# Altium PCB MB1936.PcbDoc (part 3 of 13) (continued)
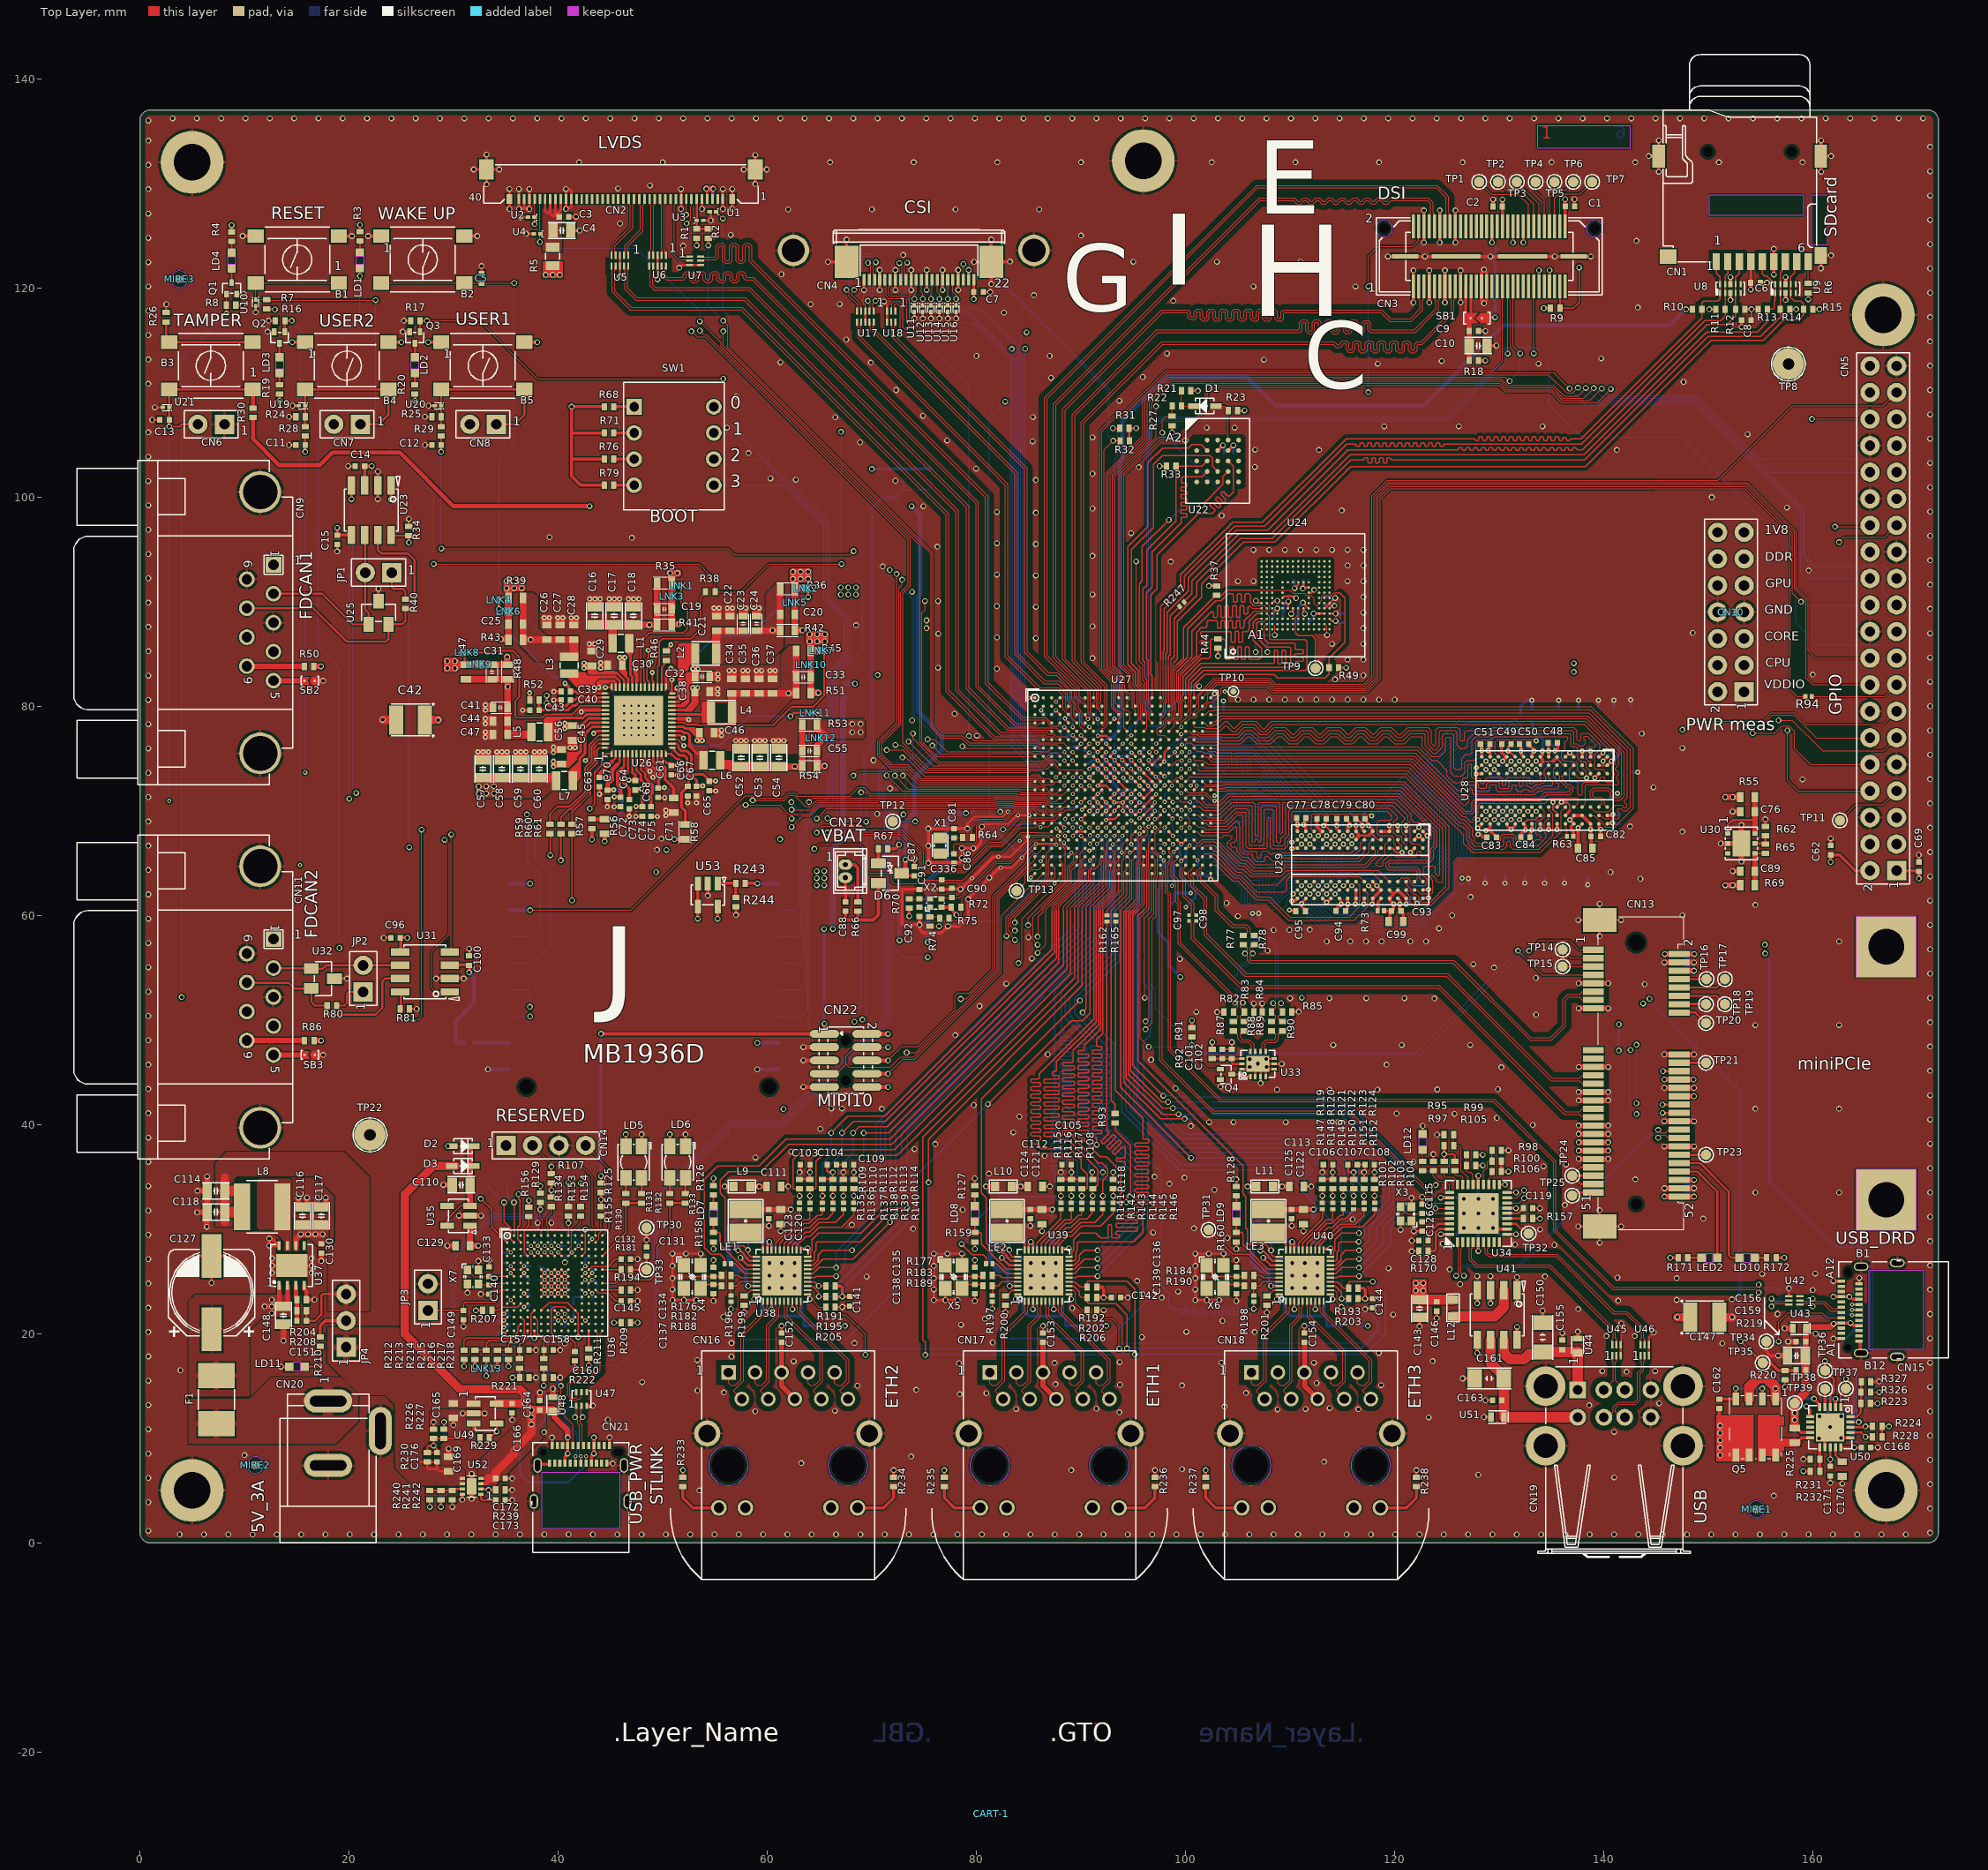
[diagram p0: Top Layer view]
## Part data (continued)
L2 L4: library part MCD-03142, "Inductor, 0.68uH, +/-20%, Itemp= 3900mA, Isat= 5400mA, 0R031, 1008, T=1.2mm", Manufacturer=MURATA, Manufacturer_Part_Number=DFE252012F-R68M=P2, Package=1008, ComponentLink1URL=http://tunmcdsvn.tun.st.com/Component_Documentation_Library/Trunk/Inductor/MURATA_DFE252012F, ID=5258, Internal_Part_Number=MCD-03142, Order_Code_Digikey=490-13044-2-ND, Order_Code_Farnell=N/A, Order_Code_RS=N/A, Part_Preference=Recommended, Part_Type=Inductor, ShowFields=YES, Status=New
L3 L5 L7: library part MCD-03141, "Inductor, 0.68uH, +/-20%, Itemp= 3100mA, Isat= 4300mA, 0R043, 0806, T=1mm", Manufacturer=MURATA, Manufacturer_Part_Number=DFE201610E-R68M=P2, Package=0806, ComponentLink1URL=http://tunmcdsvn.tun.st.com/Component_Documentation_Library/Trunkhttp://tunmcdsvn.tun.st.com/Component_Documentation_Library/Trunk/Inductor/MURATA_DFE201612P_Series, ID=5257, Internal_Part_Number=MCD-03141, Order_Code_Digikey=N/A, Order_Code_Farnell=N/A, Order_Code_RS=N/A, Part_Preference=Recommended, Part_Type=Inductor, ShowFields=YES, Status=New
L8: library part MCD-02220, "Fixed Inductors WE-LQS 5040 3.3uH 3.4A 24mOhm", Alternate_Manufacturer=N/A, Manufacturer="WURTH ELEKTRONIK", Manufacturer_Part_Number=74404054033, Package=5040, Alternate_Manufacturer_Part_Number=N/A, Component_Country_Of_Origin=Unknown, ComponentLink1Description=Part_Information, ComponentLink1URL=http://tunmcdsvn.tun.st.com/Component_Documentation_Library/Trunk/Inductor/WURTH_ELEKTRONIK_74404054033, ID=4320, Internal_Part_Number=MCD-02220, Order_Code_Digikey=732-5516-1-ND, Order_Code_Farnell=2431504, Order_Code_RS=814-2571, Part_Preference=Recommended, Part_Type=Inductor, ShowFields=YES, Status=Checked
L9 L10 L11 L13 L14 L15: library part MCD-00094, "Ferrite bead 100R 2A 0603", Manufacturer=MURATA, Manufacturer_Part_Number=BLM18EG101TN1, Package=0603, Component_Country_Of_Origin=Japan, ComponentLink1Description=Datasheet, ComponentLink1URL=http://tunmcdsvn.tun.st.com/Component_Documentation_Library/Trunk/Inductor/MURATA_BLM_Series, ECCN_EU=NEC, ECCN_US=EAR99, ID=2774, Initial_Board_Reference=mb1262, Internal_Part_Number=MCD-00094, Order_Code_Digikey=490-5978-2-ND, Order_Code_Farnell=1515714, Order_Code_RS=792-6246, Part_Preference=Recommended, Part_Type=Inductor, Provided_By=SUBCO, ShowFields=YES, Status=Released
L12: library part MCD-00305, "Ferrite bead, 26R @ 100Mhz, +/-25%, 6000mA, 0R007, 0603, T=0.75mm", Manufacturer=MURATA, Manufacturer_Part_Number=BLM18KG260TN1, Package=0603, Component_Country_Of_Origin=Japan, ComponentLink1URL=http://tunmcdsvn.tun.st.com/Component_Documentation_Library/Trunk/Inductor/MURATA_BLM_Series, ID=2564, Internal_Part_Number=MCD-00305, Order_Code_Digikey=490-5252-2-ND, Order_Code_Farnell=1781087, Order_Code_RS=747-4723, Part_Preference=Recommended, Part_Type=Inductor, ShowFields=YES, Status=Checked
LD1 LD12: library part MCD-00587, "LED Red, 0603 SMD, 2V Forward Voltage", Alternate_Manufacturer="OSRAM OPTO SEMICONDUCTORS", Alternate_Manufacturer_Part_Number="LS Q976-NR-1", Manufacturer=VISHAY, Manufacturer_Part_Number=VLMS1300-GS08, Package="LED 0603", Alternate_Internal_Part_Number=MCD-02401, Component_Country_Of_Origin=China, ComponentLink1Description=Datasheet, ComponentLink1URL=http://tunmcdsvn.tun.st.com/Component_Datasheet_Library/Trunk/Display/VISHAY_LED_RED_VLMS1300-GS08, ECCN_EU=n/a, ECCN_US=n/a, ID=3154, Internal_Part_Number=MCD-00587, Order_Code_Digikey=VLMS1300-GS08CT-ND, Order_Code_Farnell=2078728, Part_Preference=Recommended, Part_Type=Display, Provided_By=SUBCO, ShowFields=YES, Status=Released
LD2 LD7 LD8 LD9 LD10 LD11: library part MCD-00588, "LED Green, 0603 SMD, Forward Voltage Typ=2V, Max=2.5V", Alternate_Manufacturer="VISHAY SEMICONDUCTOR OPTO DIVISION", Alternate_Manufacturer_Part_Number=VLMTG1300-GS08, Manufacturer="OSRAM OPTO SEMICONDUCTORS", Manufacturer_Part_Number="LG Q396-PS-35", Package="LED 0603", Alternate_Internal_Part_Number=MCD-02400, ComponentLink1Description=Datasheet, ComponentLink1URL="http://tunmcdsvn.tun.st.com/Component_Datasheet_Library/Trunk/Display/OSRAM_LED_GREEN_LG Q396-PS-35", ECCN_EU=n/a, ECCN_US=n/a, ID=3155, Internal_Part_Number=MCD-00588, Order_Code_Digikey="LG Q396-PS-35-ND", Part_Preference=Recommended, Part_Type=Display, Provided_By=SUBCO, ShowFields=YES, Status=Released
  LD2 LD7 LD8 LD9 LD10: Component_Country_Of_Origin=Unknown
  LD11: Full_Alternate_Internal_Part_Number=MCD-02400
LD3: library part MCD-00590, "LED Orange, 0603 SMD, Forward Voltage Min=1.6V, Max=2.4V", Alternate_Manufacturer="VISHAY SEMICONDUCTOR OPTO DIVISION", Alternate_Manufacturer_Part_Number=VLMO1300-GS08, Manufacturer="OSRAM OPTO SEMICONDUCTORS", Manufacturer_Part_Number="LO Q976-PS-25", Package="LED 0603", Component_Country_Of_Origin=Unknown, ComponentLink1Description=Datasheet, ComponentLink1URL="http://tunmcdsvn.tun.st.com/Component_Datasheet_Library/Trunk/Display/OSRAM_LED_ORANGE_LO Q976-PS-25", ECCN_EU=n/a, ECCN_US=n/a, ID=3156, Internal_Part_Number=MCD-00590, Part_Preference=Recommended, Part_Type=Display, Provided_By=SUBCO, ShowFields=YES, Status=Released
LD4 LED2: library part MCD-00585, "LED Blue, 0603 SMD, Forward Voltage Min=2,8V, Max=3,8V", Alternate_Manufacturer=EVERLIGHT, Alternate_Manufacturer_Part_Number=19-217-BHC-ZL1M2RY-3T-V4, Manufacturer="OSRAM OPTO SEMICONDUCTORS", Manufacturer_Part_Number="LB Q39G-L2OO-35-1", Package="LED 0603", Alternate_Internal_Part_Number=MCD-02398, Component_Country_Of_Origin=Unknown, ComponentLink1Description=Datasheet, ComponentLink1URL="http://tunmcdsvn.tun.st.com/Component_Datasheet_Library/Trunk/Display/OSRAM_LED_BLUE_LB Q39G-L2OO-35-1", ECCN_EU=n/a, ECCN_US=n/a, ID=3159, Internal_Part_Number=MCD-00585, Order_Code_Digikey=475-2816-1-ND, Order_Code_RS=9148643, Part_Preference=Recommended, Part_Type=Display, Provided_By=SUBCO, ShowFields=YES, Status=Released
LD5 LD6: library part MCD-02631, "LED Bicolor, Green/Red, 2V, 20mA,  4-PLCC", Manufacturer="WURTH ELEKTRONIK", Manufacturer_Part_Number=150141SV73110, Package=4-PLCC, Component_Country_Of_Origin=China, ComponentLink1URL=http://tunmcdsvn.tun.st.com/Component_Documentation_Library/Trunk/Display/WURTH_ELEKTRONIK_150141SV73110, ID=4737, Internal_Part_Number=MCD-02631, Order_Code_Digikey=732-13404-2-ND, Order_Code_Farnell=2990869, Order_Code_RS=184-6963, Part_Preference=Recommended, Part_Type=Display, ShowFields=YES, Status=Checked
LE1 LE2 LE3: library part MCD-00048, "FIXED IND 4.7UH 1A 180 MOHM 30% SMD", Manufacturer=MURATA, Manufacturer_Part_Number=LQH32PN4R7NN0L, Package=1210, Component_Country_Of_Origin=Japan, ComponentLink1Description=Datasheet, ComponentLink1URL=http://tunmcdsvn.tun.st.com/Component_Documentation_Library/Trunk/Inductor/MURATA_LQH32PN4R7NN0, ECCN_EU=n/a, ECCN_US=n/a, ID=2544, Initial_Board_Reference=mb1274, Internal_Part_Number=MCD-00048, Order_Code_Digikey=490-5338-2-ND, Order_Code_Farnell=2470296, Order_Code_RS=167-4086, Part_Preference=Recommended, Part_Type=Inductor, Provided_By=SUBCO, ShowFields=YES, Status=Released
LNK1 LNK2 LNK3 LNK4 LNK5 LNK6 LNK7 LNK8 LNK9 LNK10 LNK11 LNK12: "link 0.2mm"
LNK13: library part MCD-02777, "Track link on PCB 200um width for layout routing. No component assembly and no component in BOM", Manufacturer=N/A, ComponentLink1URL=http://tunmcdsvn.tun.st.com/Component_Documentation_Library/Trunk, ID=4889, Internal_Part_Number=MCD-02777, Manufacturer_Part_Number=link_200, Order_Code_Digikey=N/A, Order_Code_Farnell=N/A, Order_Code_RS=N/A, Part_Preference=Recommended, Part_Type=Misc, ShowFields=YES, Status=Checked
Q1 Q2 Q3: library part MCD-02221, "MOSFET N-CH 20V SC-89", Alternate_Manufacturer=N/A, Manufacturer=VISHAY, Manufacturer_Part_Number=Si1062X, Package=SC-89, Alternate_Manufacturer_Part_Number=N/A, Component_Country_Of_Origin=Philippines, ComponentLink1Description=Part_Information, ComponentLink1URL=http://tunmcdsvn.tun.st.com/Component_Datasheet_Library/Trunk/Transistors/VISHAY_Si1062X, ID=4321, Internal_Part_Number=MCD-02221, Order_Code_Digikey=SI1062X-T1-GE3CT-ND, Order_Code_Farnell=2646363, Order_Code_RS=812-3044, Part_Preference=Recommended, Part_Type=Transistor, ShowFields=YES, Status=Checked
Q4: library part MCD-02221, "MOSFET N-CH 20V SC-89", Manufacturer=VISHAY, Manufacturer_Part_Number=Si1062X, Package=SC-89, Component_Country_Of_Origin=Philippines, ComponentLink1URL=http://tunmcdsvn.tun.st.com/Component_Datasheet_Library/Trunk/Transistors/VISHAY_Si1062X, ID=4321, Internal_Part_Number=MCD-02221, Order_Code_Digikey=SI1062X-T1-GE3CT-ND, Order_Code_Farnell=2646363, Order_Code_RS=812-3044, Part_Preference=Recommended, Part_Type=Transistor, ShowFields=YES, Status=Checked
Q5: library part MCD-02152, "MOSFET, Dual N-channel 30 V, 0.016 Ω typ., 40 A, STripFET™ H5 Power MOSFET", Manufacturer=STMICROELECTRONICS, Manufacturer_HQ_COO=EU, Package="PowerFLAT 5x6", Component_Country_Of_Origin=China, ComponentLink1URL=http://tunmcdsvn.tun.st.com/Component_Datasheet_Library/Trunk/Transistors/STMICROELECTRONICS_STL40DN3LLH5, ID=4252, Internal_Part_Number=MCD-02152, Manufacturer_Part_Number=STL40DN3LLH5, Order_Code_Digikey=N/A, Order_Code_Farnell=N/A, Order_Code_RS=N/A, Part_Preference=Recommended, Part_Type=Transistor, ShowFields=YES, Status=Released
R1 R9 R91 R103 R104 R106 R156 R157 R213 R214 R215 R220 R223 R323 R324: library part MCD-00053, "Resistor, 10K, 0402, +/-1%, 1/16W", Manufacturer=YAGEO, Manufacturer_Part_Number=RC0402FR-0710KL, Package=0402, BMS_Part_Number=9131590, Component_Country_Of_Origin=China, ComponentLink1URL=http://tunmcdsvn.tun.st.com/Component_Documentation_Library/Trunk/Resistor/YAGEO_RC_L_Series, ID=2539, Internal_Part_Number=MCD-00053, Order_Code_Digikey=311-10.0KLRCT-ND, Order_Code_Farnell=9239359, Order_Code_RS=N/A, Part_Preference=Recommended, Part_Type=Resistor, ShowFields=YES, Status=Released
R2 R18 R67 R77 R78 R87 R88 R89 R90 R92 R129 R154 R155 R211 R212 R290 R291: library part MCD-00052, "Resistor, 0R, 0402, +/-5%, 1/16W", Manufacturer=YAGEO, Manufacturer_Part_Number=RC0402JR-070RL, Package=0402, Component_Country_Of_Origin=China, ComponentLink1URL=http://tunmcdsvn.tun.st.com/Component_Documentation_Library/Trunk/Resistor/YAGEO_RC_L_Series, ID=2540, Internal_Part_Number=MCD-00052, Order_Code_Digikey=311-0.0JRCT-ND, Order_Code_Farnell=9232516RL, Order_Code_RS=618-5804, Part_Preference=Recommended, Part_Type=Resistor, ShowFields=YES, Status=Released
R3: library part MCD-00461, "Resistor,360R,0402,1%,1/16W", Manufacturer=YAGEO, Manufacturer_Part_Number=RC0402FR-07360RL, Package=0402, Component_Country_Of_Origin=China, ComponentLink1Description=Datasheet, ComponentLink1URL=http://tunmcdsvn.tun.st.com/Component_Documentation_Library/Trunk/Resistor/YAGEO_RC_L_Series, ECCN_EU=NEC, ECCN_US=EAR99, ID=2816, Internal_Part_Number=MCD-00461, Order_Code_Digikey=YAG3132CT-ND, Order_Code_Farnell=1458786, Order_Code_RS=N/A, Part_Preference=Recommended, Part_Type=Resistor, Provided_By=SUBCO, ShowFields=YES, Status=Released
R4 R171: library part MCD-00194, "Resistor,120R,0402,1%,1/16W", Manufacturer=YAGEO, Manufacturer_Part_Number=RC0402FR-07120RL, Package=0402, Component_Country_Of_Origin=China, ComponentLink1Description=Datasheet, ComponentLink1URL=http://tunmcdsvn.tun.st.com/Component_Documentation_Library/Trunk/Resistor/YAGEO_RC_L_Series, ECCN_EU=NEC, ECCN_US=EAR99, ID=2674, Internal_Part_Number=MCD-00194, Order_Code_Digikey=311-120LRCT-ND, Order_Code_Farnell=9239120, Order_Code_RS=N/A, Part_Preference=Recommended, Part_Type=Resistor, Provided_By=SUBCO, ShowFields=YES, Status=Released
R5: library part MCD-00179, "Resistor, 0R, 0805, +/-5%, 1/8W", Manufacturer=YAGEO, Manufacturer_Part_Number=RC0805JR-070RL, Package=0805, Component_Country_Of_Origin=China, ComponentLink1URL=http://tunmcdsvn.tun.st.com/Component_Documentation_Library/Trunk/Resistor/YAGEO_RC_L_Series, ID=2685, Internal_Part_Number=MCD-00179, Order_Code_Digikey=311-0.0ARCT-ND, Order_Code_Farnell=9233750, Order_Code_RS=N/A, Part_Preference=Recommended, Part_Type=Resistor, ShowFields=YES, Status=Released
R6 R21 R22 R38 R46 R52 R57 R59 R60 R61 R64 R75 R267 R269 R286 R288 R326 R328: library part MCD-00052, "Resistor,0R,0402,5%,1/16W", Alternate_Manufacturer=N/A, Manufacturer=YAGEO, Manufacturer_Part_Number=RC0402JR-070RL, Package=0402, Alternate_Manufacturer_Part_Number=N/A, ComponentLink1URL=http://tunmcdsvn.tun.st.com/Component_Documentation_Library/Trunk/Resistor/YAGEO_RC_L_Series, Internal_Part_Number=MCD-00052, Order_Code_Digikey=311-0.0JRCT-ND, Order_Code_Farnell=9232516RL, Order_Code_RS=618-5804, Part_Preference=Recommended, Part_Type=Resistor, Status=Released
  R6: Component_Country_Of_Origin=China, ComponentLink1Description=Datasheet, ECCN_EU=NEC, ECCN_US=EAR99, ID=2540, Provided_By=SUBCO, ShowFields=YES
  R21 R22: Component_Country_Of_Origin=China, ComponentLink1Description=Datasheet, ID=2540, ShowFields=YES
  R38 R46 R59 R60 R61 R267 R269 R286: ComponentLink1Description=Datasheet, ECCN_EU=NEC, ECCN_US=EAR99, Initial_Board_Reference=mb1274, Provided_By=SUBCO
  R52 R57 R326: Component_Country_Of_Origin=China, ComponentLink1Description=Part_Information, ID=2540, ShowFields=YES
  R64 R75: Component_Country_Of_Origin=China, ComponentLink1Description=Datasheet, ECCN_EU=n/a, ECCN_US=n/a, ID=2540, Initial_Board_Reference=mb1274, Provided_By=SUBCO, ShowFields=YES
  R288 R328: ComponentLink1Description=Datasheet
R7 R13 R27 R74 R96 R107 R125 R205 R206 R252 R272: library part MCD-00053, "Resistor,10K,0402,1%,1/16W", Alternate_Manufacturer=N/A, Manufacturer=YAGEO, Manufacturer_Part_Number=RC0402FR-0710KL, Package=0402, Alternate_Manufacturer_Part_Number=N/A, BMS_Part_Number=9131590, ComponentLink1Description=Datasheet, ComponentLink1URL=http://tunmcdsvn.tun.st.com/Component_Documentation_Library/Trunk/Resistor/YAGEO_RC_L_Series, Internal_Part_Number=MCD-00053, Order_Code_Digikey=311-10.0KLRCT-ND, Order_Code_Farnell=9239359, Order_Code_RS=N/A, Part_Preference=Recommended, Part_Type=Resistor, Status=Released
  R7 R27 R74 R96 R107 R125 R205 R206 R272: Component_Country_Of_Origin=China, ID=2539, ShowFields=YES
  R13: Component_Country_Of_Origin=China, ECCN_EU=NEC, ECCN_US=EAR99, ID=2539, Provided_By=SUBCO, ShowFields=YES
R8 R16 R17 R24 R25: library part MCD-00059, "Resistor,100K,0402,1%,1/16W", Alternate_Manufacturer=YAGEO, Alternate_Manufacturer_Part_Number=RT0402FRE07100KL, Manufacturer_Part_Number=RC0402FR-07100KL, Package=0402, Component_Country_Of_Origin=China, ComponentLink1Description=Datasheet, ComponentLink1URL=http://tunmcdsvn.tun.st.com/Component_Documentation_Library/Trunk/Resistor/YAGEO_RC_L_Series, ID=2533, Internal_Part_Number=MCD-00059, Manufacturer=YAGEO, Order_Code_Digikey=311-100KLRTR-ND, Order_Code_Farnell=2421891, Order_Code_RS=N/A, Part_Preference=Recommended, Part_Type=Resistor, ShowFields=YES, Status=Released
R10 R11 R12 R14 R15 R226 R230: library part MCD-00063, "Resistor,47K,0402,1%,1/16W", Alternate_Manufacturer=N/A, Manufacturer=YAGEO, Manufacturer_Part_Number=RC0402FR-0747KL, Package=0402, Alternate_Manufacturer_Part_Number=N/A, Component_Country_Of_Origin=China, ComponentLink1Description=Datasheet, ComponentLink1URL=http://tunmcdsvn.tun.st.com/Component_Documentation_Library/Trunk/Resistor/YAGEO_RC_L_Series, ECCN_EU=NEC, ECCN_US=EAR99, ID=2528, Internal_Part_Number=MCD-00063, Order_Code_Digikey=311-47.0KLRCT-ND, Order_Code_Farnell=9239430, Order_Code_RS=N/A, Part_Preference=Recommended, Part_Type=Resistor, Provided_By=SUBCO, ShowFields=YES, Status=Released
R19: library part MCD-00449, "Resistor,300R,0402,1%,1/16W", Manufacturer=YAGEO, Manufacturer_Part_Number=RC0402FR-07300RL, Package=0402, Component_Country_Of_Origin=China, ComponentLink1Description=Datasheet, ComponentLink1URL=http://tunmcdsvn.tun.st.com/Component_Documentation_Library/Trunk/Resistor/YAGEO_RC_L_Series, ECCN_EU=NEC, ECCN_US=EAR99, ID=2832, Internal_Part_Number=MCD-00449, Order_Code_Digikey=311-300LRCT-ND, Order_Code_Farnell=1458776, Order_Code_RS=N/A, Part_Preference=Recommended, Part_Type=Resistor, Provided_By=SUBCO, ShowFields=YES, Status=Released
R20 R126 R127 R128 R172 R210: library part MCD-00441, "Resistor,270R,0402,1%,1/16W", Manufacturer=YAGEO, Manufacturer_Part_Number=RC0402FR-07270RL, Package=0402, ComponentLink1Description=Datasheet, ComponentLink1URL=http://tunmcdsvn.tun.st.com/Component_Documentation_Library/Trunk/Resistor/YAGEO_RC_L_Series, ECCN_EU=NEC, ECCN_US=EAR99, ID=2838, Internal_Part_Number=MCD-00441, Order_Code_Digikey=311-270LRCT-ND, Order_Code_Farnell=9239162, Order_Code_RS=N/A, Part_Preference=Recommended, Part_Type=Resistor, Provided_By=SUBCO, ShowFields=YES, Status=Released
  R20 R126 R127 R128 R172: Component_Country_Of_Origin=China
R23 R33: library part MCD-00053, "Resistor,10K,0402,1%,1/16W", Manufacturer=YAGEO, Manufacturer_Part_Number=RC0402FR-0710KL, Package=R0402, BMS_Part_Number=9131590, ComponentLink1Description=Datasheet, ComponentLink1URL=http://tunmcdsvn.tun.st.com/Component_Datasheet_Library/Trunk/Resistors/Yageo_Resistor_RC0402-series, ECCN_EU=NEC, ECCN_US=EAR99, Internal_Part_Number=MCD-00053, Part_Type=Resistor, Provided_By=SUBCO, Status=Released
R26 R181: library part MCD-00067, "Resistor, 100R, 0402, +/- 1%, 1/16W", Manufacturer=YAGEO, Manufacturer_Part_Number=RC0402FR-07100RL, Package=0402, Component_Country_Of_Origin=China, ComponentLink1URL=http://tunmcdsvn.tun.st.com/Component_Documentation_Library/Trunk/Resistor/YAGEO_RC_L_Series, ID=2527, Internal_Part_Number=MCD-00067, Order_Code_Digikey=311-100LRCT-ND, Order_Code_Farnell=9239111, Order_Code_RS=N/A, Part_Preference=Recommended, Part_Type=Resistor, ShowFields=YES, Status=Released
R28 R29: library part MCD-00062, "Resistor,330R,0402,1%,1/16W", Alternate_Manufacturer=N/A, Manufacturer=YAGEO, Manufacturer_Part_Number=RC0402FR-07330RL, Package=0402, Alternate_Manufacturer_Part_Number=N/A, Component_Country_Of_Origin=China, ComponentLink1Description=Datasheet, ComponentLink1URL=http://tunmcdsvn.tun.st.com/Component_Documentation_Library/Trunk/Resistor/YAGEO_RC_L_Series, ID=2529, Internal_Part_Number=MCD-00062, Order_Code_Digikey=311-330LRCT-ND, Order_Code_Farnell=9239170, Order_Code_RS=N/A, Part_Preference=Recommended, Part_Type=Resistor, ShowFields=YES, Status=Released
R30 R101: library part MCD-00061, "Resistor, 1K, 0402, +/-1%,1/16W", Manufacturer=YAGEO, Manufacturer_Part_Number=RC0402FR-071KL, Package=0402, Component_Country_Of_Origin=China, ComponentLink1URL=http://tunmcdsvn.tun.st.com/Component_Documentation_Library/Trunk/Resistor/YAGEO_RC_L_Series, ID=2532, Internal_Part_Number=MCD-00061, Order_Code_Digikey=311-1.00KLRCT-ND, Order_Code_Farnell=9239235, Order_Code_RS=N/A, Part_Preference=Recommended, Part_Type=Resistor, ShowFields=YES, Status=Released
R31 R32 R224 R228 R245 R246: library part MCD-00068, "Resistor,1K5,0402,1%,1/16W", Alternate_Manufacturer=N/A, Manufacturer=YAGEO, Manufacturer_Part_Number=RC0402FR-071K5L, Package=0402, Alternate_Manufacturer_Part_Number=N/A, Component_Country_Of_Origin=China, ComponentLink1Description=Datasheet, ComponentLink1URL=http://tunmcdsvn.tun.st.com/Component_Documentation_Library/Trunk/Resistor/YAGEO_RC_L_Series, ID=2524, Internal_Part_Number=MCD-00068, Order_Code_Digikey=311-1.50KLRCT-ND, Order_Code_Farnell=9239251, Order_Code_RS=N/A, Part_Preference=Recommended, Part_Type=Resistor, ShowFields=YES, Status=Released
R34 R37 R44 R49 R81 R248: library part MCD-00053, "Resistor,10K,0402,1%,1/16W", Manufacturer=YAGEO, Manufacturer_Part_Number=RC0402FR-0710KL, Package=0402, BMS_Part_Number=9131590, Component_Country_Of_Origin=China, ComponentLink1Description=Datasheet, ComponentLink1URL=http://tunmcdsvn.tun.st.com/Component_Documentation_Library/Trunk/Resistor/YAGEO_RC_L_Series, ID=2539, Internal_Part_Number=MCD-00053, Order_Code_Digikey=311-10.0KLRCT-ND, Order_Code_Farnell=9239359, Order_Code_RS=N/A, Part_Preference=Recommended, Part_Type=Resistor, Provided_By=SUBCO, ShowFields=YES, Status=Released
  R37 R44 R49 R248: ECCN_EU=NEC, ECCN_US=EAR99
R35 R36 R39 R45 R47 R53: library part MCD-00181, "Resistor,0R,0603,ULO", Alternate_Manufacturer=N/A, Manufacturer=ROHM, Manufacturer_Part_Number=PMR03EZPJ000, Package=0603, Alternate_Manufacturer_Part_Number=N/A, Component_Country_Of_Origin="Philippines, Thailand", ComponentLink1Description=Part_Information, ComponentLink1URL=http://tunmcdsvn.tun.st.com/Component_Documentation_Library/Trunk/Resistor/ROHM_PMR_Series, ID=2691, Internal_Part_Number=MCD-00181, Order_Code_Digikey=PMR03EZPJ000-ND, Order_Code_Farnell=N/A, Order_Code_RS=N/A, Part_Preference=Recommended, Part_Type=Resistor, Provided_By=SUBCO, ShowFields=YES, Status=Released
R40 R80: library part MCD-00194, "Resistor, 120R, 0402, +/-1%, 1/16W", Manufacturer=YAGEO, Manufacturer_Part_Number=RC0402FR-07120RL, Package=0402, Component_Country_Of_Origin=China, ComponentLink1URL=http://tunmcdsvn.tun.st.com/Component_Documentation_Library/Trunk/Resistor/YAGEO_RC_L_Series, ID=2674, Internal_Part_Number=MCD-00194, Order_Code_Digikey=311-120LRCT-ND, Order_Code_Farnell=9239120, Order_Code_RS=N/A, Part_Preference=Recommended, Part_Type=Resistor, ShowFields=YES, Status=Released
R41 R54: library part MCD-03197, "Resistor, 330mR, 0603, +/-1%, 1/5W", Manufacturer=YAGEO, Manufacturer_Part_Number=PT0603FR-7W0R33L, Package=0603, ComponentLink1URL=http://tunmcdsvn.tun.st.com/Component_Documentation_Library/Trunk/Resistor/YAGEO_PT_Series, ID=5313, Internal_Part_Number=MCD-03197, Order_Code_Digikey=PT0603FR-7W0R33L-ND, Order_Code_Farnell=N/A, Order_Code_RS=N/A, Part_Preference=Recommended, Part_Type=Resistor, ShowFields=YES, Status=New
R42 R51: library part MCD-03229, "Resistor, 33mR, 0603, +/-1%, 1/4W", Manufacturer=PANASONIC, Manufacturer_Part_Number=ERJ-3BWFR033V, Package=0603, ComponentLink1URL=http://tunmcdsvn.tun.st.com/Component_Documentation_Library/Trunk/Resistor/PANASONIC_ERJ_Series, ID=5345, Internal_Part_Number=MCD-03229, Order_Code_Digikey=P17467TR-ND, Order_Code_Farnell=1798582, Order_Code_RS=N/A, Part_Preference=Recommended, Part_Type=Resistor, ShowFields=YES, Status=New
R43 R48: library part MCD-02234, "Resistor,100moHm,0603,1%,1/3W", Alternate_Manufacturer=N/A, Manufacturer=PANASONIC, Manufacturer_Part_Number=ERJ-3BWFR100V, Package=0603, Alternate_Manufacturer_Part_Number=N/A, Component_Country_Of_Origin=Japan, ComponentLink1Description=Part_Information, ComponentLink1URL=http://tunmcdsvn.tun.st.com/Component_Documentation_Library/Trunk/Resistor/PANASONIC_ERJ_Series, ID=4334, Internal_Part_Number=MCD-02234, Order_Code_Digikey=P17478CT-ND, Order_Code_Farnell=1798596, Order_Code_RS=763-8731, Part_Preference=Recommended, Part_Type=Resistor, ShowFields=YES, Status=Checked
R50 R86: library part MCD-00061, "Resistor,1K,0402,1%,1/16W", Manufacturer=YAGEO, Manufacturer_Part_Number=RC0402FR-071KL, Package=0402, Component_Country_Of_Origin=China, ComponentLink1Description=Datasheet, ComponentLink1URL=http://tunmcdsvn.tun.st.com/Component_Documentation_Library/Trunk/Resistor/YAGEO_RC_L_Series, ID=2532, Internal_Part_Number=MCD-00061, Order_Code_Digikey=311-1.00KLRCT-ND, Order_Code_Farnell=9239235, Order_Code_RS=N/A, Part_Preference=Recommended, Part_Type=Resistor, Provided_By=SUBCO, ShowFields=YES, Status=Released
R55 R56 R69: library part MCD-00056, "Resistor,0R,0603,5%,1/10W", Alternate_Manufacturer=N/A, Manufacturer=YAGEO, Manufacturer_Part_Number=RC0603JR-070RL, Package=0603, Alternate_Manufacturer_Part_Number=N/A, Component_Country_Of_Origin=China, ComponentLink1URL=http://tunmcdsvn.tun.st.com/Component_Documentation_Library/Trunk/Resistor/YAGEO_RC_L_Series, ID=2536, Internal_Part_Number=MCD-00056, Order_Code_Digikey=311-0.0GRCT-ND, Order_Code_Farnell=9233130RL, Order_Code_RS=N/A, Part_Preference=Recommended, Part_Type=Resistor, ShowFields=YES, Status=Released
  R55 R69: ComponentLink1Description=Datasheet
  R56: ComponentLink1Description=Part_Information
R58: library part MCD-00181, "Resistor, 0R, 0603, +/- 0.5mR, 1/4W", Alternate_Manufacturer=N/A, Manufacturer=ROHM, Manufacturer_Part_Number=PMR03EZPJ000, Package=0603, Alternate_Manufacturer_Part_Number=N/A, Component_Country_Of_Origin="Philippines, Thailand", ComponentLink1URL=http://tunmcdsvn.tun.st.com/Component_Documentation_Library/Trunk/Resistor/ROHM_PMR_Series, ID=2691, Internal_Part_Number=MCD-00181, Order_Code_Digikey=PMR03EZPJ000-ND, Order_Code_Farnell=N/A, Order_Code_RS=N/A, Part_Preference=Recommended, Part_Type=Resistor, ShowFields=YES, Status=Released
R62: library part MCD-00531, "Resistor, 82K, 0402, +/-1%, 1/16W", Manufacturer=YAGEO, Manufacturer_Part_Number=RC0402FR-0782KL, Package=0402, Component_Country_Of_Origin=China, ComponentLink1URL=http://tunmcdsvn.tun.st.com/Component_Documentation_Library/Trunk/Resistor/YAGEO_RC_L_Series, ID=3207, Internal_Part_Number=MCD-00531, Order_Code_Digikey=311-82.0KLRCT-ND, Order_Code_Farnell=9239464, Order_Code_RS=N/A, Part_Preference=Recommended, Part_Type=Resistor, ShowFields=YES, Status=Released
R63 R73 R262: library part MCD-02253, "Resistor,240R,0201,1%,1/20W", Alternate_Manufacturer=N/A, Manufacturer=YAGEO, Manufacturer_Part_Number=RC0201FR-07240RL, Package=R0201, Alternate_Manufacturer_Part_Number=N/A, ComponentLink1URL=http://tunmcdsvn.tun.st.com/Component_Datasheet_Library/Trunk/Resistors/Yageo_Resistor_RC0201-series, Internal_Part_Number=MCD-02253, Order_Code_Digikey=YAG2528CT-ND, Order_Code_Farnell=N/A, Order_Code_RS=N/A, Part_Preference=Recommended, Part_Type=Resistor, Status=Checked
R65: library part MCD-00344, "Resistor, 19K6, 0402, +/-1%, 1/16W", Manufacturer=YAGEO, Manufacturer_Part_Number=RC0402FR-0719K6L, Package=0402, Component_Country_Of_Origin=China, ComponentLink1URL=http://tunmcdsvn.tun.st.com/Component_Documentation_Library/Trunk/Resistor/YAGEO_RC_L_Series, ID=2937, Internal_Part_Number=MCD-00344, Order_Code_Digikey=YAG3026CT-ND, Order_Code_Farnell=N/A, Order_Code_RS=N/A, Part_Preference=Recommended, Part_Type=Resistor, ShowFields=YES, Status=Released
R66: library part MCD-00058, "Resistor, 20R, 0402, +/-1%, 1/16W", Alternate_Manufacturer=N/A, Manufacturer=YAGEO, Manufacturer_Part_Number=RC0402FR-0720RL, Package=0402, Alternate_Manufacturer_Part_Number=N/A, BMS_Part_Number=9131027, Component_Country_Of_Origin=China, ComponentLink1URL=http://tunmcdsvn.tun.st.com/Component_Documentation_Library/Trunk/Resistor/YAGEO_RC_L_Series, ID=2537, Internal_Part_Number=MCD-00058, Order_Code_Digikey=311-20LRCT-ND, Order_Code_Farnell=1799192, Order_Code_RS=N/A, Part_Preference=Recommended, Part_Type=Resistor, ShowFields=YES, Status=Released
R68 R71 R72 R76 R79: library part MCD-00061, "Resistor,1K,0402,1%,1/16W", Alternate_Manufacturer=N/A, Manufacturer=YAGEO, Manufacturer_Part_Number=RC0402FR-071KL, Package=0402, Alternate_Manufacturer_Part_Number=N/A, Component_Country_Of_Origin=China, ComponentLink1Description=Datasheet, ComponentLink1URL=http://tunmcdsvn.tun.st.com/Component_Documentation_Library/Trunk/Resistor/YAGEO_RC_L_Series, ID=2532, Internal_Part_Number=MCD-00061, Order_Code_Digikey=311-1.00KLRCT-ND, Order_Code_Farnell=9239235, Order_Code_RS=N/A, Part_Preference=Recommended, Part_Type=Resistor, ShowFields=YES, Status=Released
  R72: ECCN_EU=n/a, ECCN_US=n/a, Initial_Board_Reference=mb1274, Provided_By=SUBCO
R70: library part MCD-00358, "Resistor,10R,0402,1%,1/16W", Alternate_Manufacturer=N/A, Manufacturer=YAGEO, Manufacturer_Part_Number=RC0402FR-0710RL, Package=0402, Alternate_Manufacturer_Part_Number=N/A, Component_Country_Of_Origin=China, ComponentLink1Description=Datasheet, ComponentLink1URL=http://tunmcdsvn.tun.st.com/Component_Documentation_Library/Trunk/Resistor/YAGEO_RC_L_Series, ID=2919, Internal_Part_Number=MCD-00358, Order_Code_Digikey=311-10.0LRCT-ND, Order_Code_Farnell=9238999, Order_Code_RS=618-5848, Part_Preference=Recommended, Part_Type=Resistor, Provided_By=SUBCO, ShowFields=YES, Status=Released
R82 R83 R84 R85: library part MCD-00565, "Resistor, 49R9, 0402, +/-1%, 1/16W", Manufacturer=YAGEO, Manufacturer_Part_Number=RC0402FR-0749R9L, Package=0402, Component_Country_Of_Origin=China, ComponentLink1URL=http://tunmcdsvn.tun.st.com/Component_Documentation_Library/Trunk/Resistor/YAGEO_RC_L_Series, ID=3178, Internal_Part_Number=MCD-00565, Order_Code_Digikey=311-49.9LRCT-ND, Order_Code_Farnell=1799218, Order_Code_RS=N/A, Part_Preference=Recommended, Part_Type=Resistor, ShowFields=YES, Status=Released